# Altium PCB Main.PcbDoc (part 4 of 7)
Units mm, origin at the board's own origin, x right, y up, seen from the top; angles counter-clockwise.
Board outline 176.9 x 83.38 mm, 6 copper layers (Top Layer, Signal 1, GND, VCC, Signal 2, Bottom Layer), stack 0.816 mm thick; 265 components, 263 nets, 1108 pads, 1060 vias.
Unrouted connection lines stored in the file: 116.
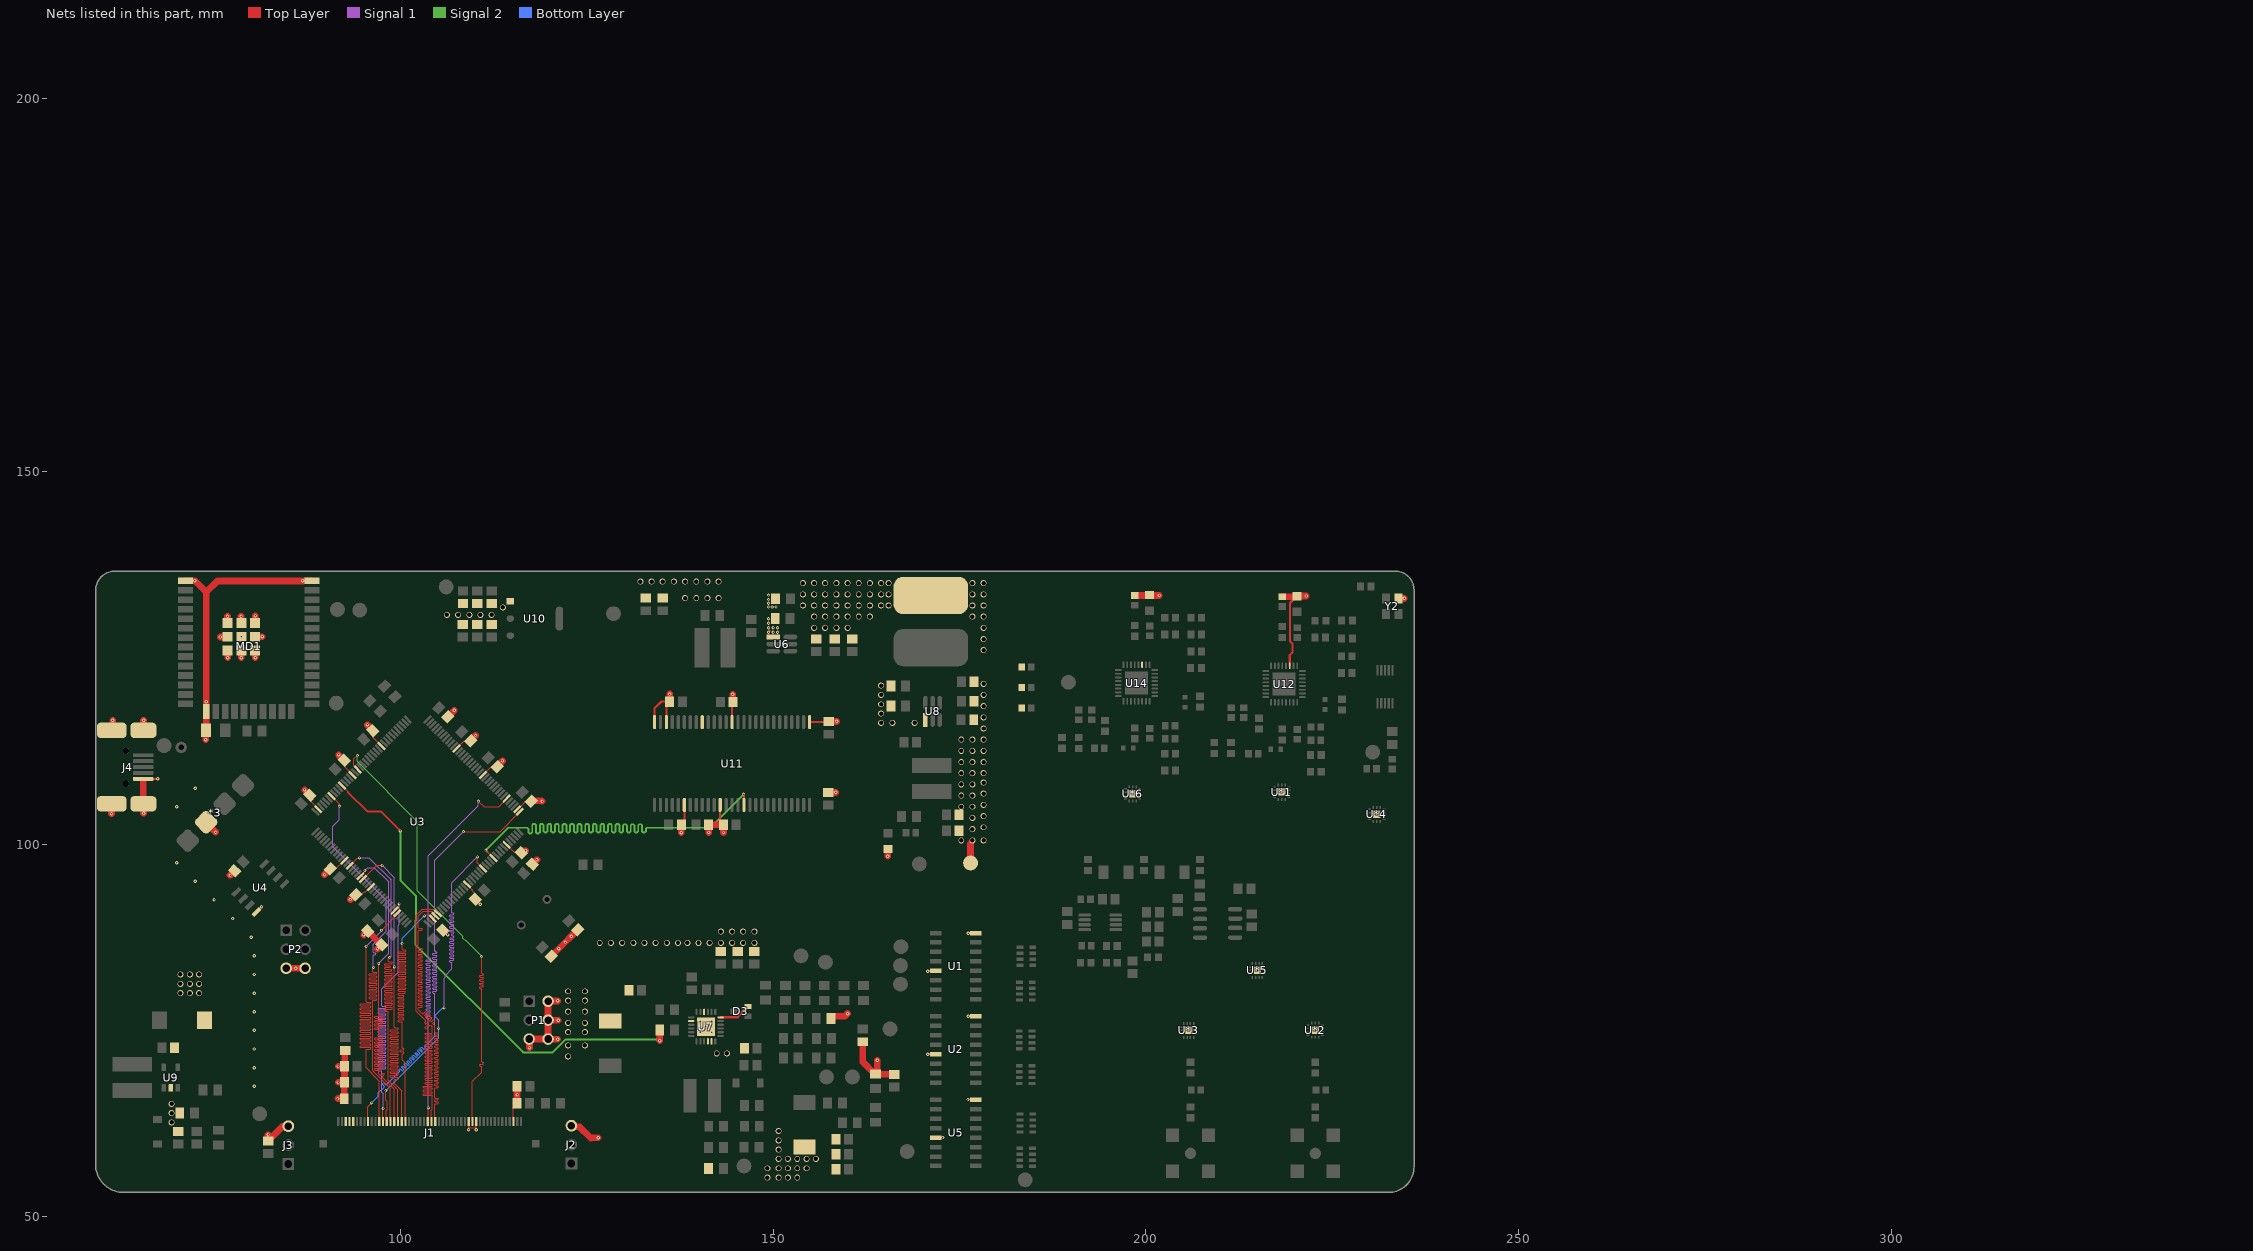
[diagram p8: the nets of this part, all layers, seen from the top]

## Via types
v1: diameter 0.45, hole 0.2, Top Layer to Bottom Layer, tented both sides, 551 vias
v2: diameter 0.8, hole 0.6, Top Layer to Bottom Layer, tented both sides, 348 vias
v3: diameter 0.4, hole 0.2, Top Layer to Bottom Layer, tented both sides, 138 vias
v4: diameter 0.5, hole 0.2, Top Layer to Bottom Layer, tented both sides, 23 vias

## Nets (pads, with @x,y where several pads share a name; then routed paths per layer and width w, separated by ;. In a path a pad name is that pad's centre, name@x,y a point inside that pad or via, vN(x,y) a via of type N, cw(c..) or ccw(c..) an arc to the next point about the centre after c; other vN are vias at no path point) (continued)
FMC_WE: U3.26 U11.16 | length 70.7
  Top Layer w0.127: 111.775,98.85 112.486,98.139 U3.26@112.49,98.139
  Top Layer w0.254: v3(111.475,99.175) 111.475,99.15 111.775,98.85 ; v3@146.084,106.68 146.084,105.266 U11.16@146.1,105.25
  Signal 2 w0.254: v3(111.475,99.175) 114.481,102.181 115.79,102.181 116.044,102.181 116.425,102.181 116.679,102.181 117.035,102.181 117.187,102.029 117.187,101.571 117.339,101.419 117.543,101.419 117.695,101.571 117.695,102.181 117.695,102.54 117.847,102.693 118.051,102.693 118.203,102.54 118.203,102.181 118.203,101.571 118.355,101.419 118.559,101.419 118.711,101.571 118.711,102.181 118.711,102.54 118.863,102.693 119.067,102.693 119.219,102.54 119.219,102.181 119.219,101.7 119.371,101.547 119.575,101.547 119.727,101.7 119.727,102.181 119.727,102.54 119.879,102.693 120.083,102.693 120.235,102.54 120.235,102.181 120.235,101.7 120.387,101.547 120.591,101.547 120.743,101.7 120.743,102.181 120.743,102.54 120.895,102.693 121.099,102.693 121.251,102.54 121.251,102.181 121.251,101.7 121.403,101.547 121.607,101.547 121.759,101.7 121.759,102.181 121.759,102.54 121.911,102.693 122.115,102.693 122.267,102.54 122.267,102.181 122.267,101.7 122.419,101.547 122.623,101.547 122.775,101.7 122.775,102.181 122.775,102.54 122.927,102.693 123.131,102.693 123.283,102.54 123.283,102.181 123.283,101.7 123.435,101.547 123.639,101.547 123.791,101.7 123.791,102.181 123.791,102.54 123.943,102.693 124.147,102.693 124.299,102.54 124.299,102.181 124.299,101.7 124.451,101.547 124.655,101.547 124.807,101.7 124.807,102.181 124.807,102.54 124.959,102.693 125.163,102.693 125.315,102.54 125.315,102.181 125.315,101.7 125.467,101.547 125.671,101.547 125.823,101.7 125.823,102.181 125.823,102.54 125.975,102.693 126.179,102.693 126.331,102.54 126.331,102.181 126.331,101.7 126.483,101.547 126.687,101.547 126.839,101.7 126.839,102.181 126.839,102.54 126.991,102.693 127.195,102.693 127.347,102.54 127.347,102.181 127.347,101.7 127.499,101.547 127.703,101.547 127.855,101.7 127.855,102.181 127.855,102.54 128.007,102.693 128.211,102.693 128.363,102.54 128.363,102.181 128.363,101.7 128.515,101.547 128.719,101.547 128.871,101.7 128.871,102.181 128.871,102.54 129.023,102.693 129.227,102.693 129.379,102.54 129.379,102.181 129.379,101.7 129.531,101.547 129.735,101.547 129.887,101.7 129.887,102.181 129.887,102.494 130.039,102.646 130.243,102.646 130.395,102.494 130.395,102.181 130.395,101.7 130.547,101.547 130.751,101.547 130.903,101.7 130.903,102.181 130.903,102.494 131.055,102.646 131.259,102.646 131.411,102.494 131.411,102.181 131.411,101.7 131.563,101.547 131.767,101.547 131.919,101.7 131.919,102.181 131.919,102.494 132.071,102.646 132.275,102.646 132.427,102.494 132.427,102.181 132.427,101.7 132.579,101.547 132.783,101.547 132.935,101.7 132.935,102.029 133.087,102.181 133.1,102.181 137.9,102.181 141.558,102.181 v3(146.057,106.68)
GND: "IN +12.2" *3.2 C1.1 C2.1 C3.1 C4.1 C5.1 C6.1 C7.1 C8.2 C9.2 C10.1 C11.2 C12.1 C13.1 C14.1 C15.1 C16.1 C17.1 C18.1 C19.1 C20.1 C21.1 C23.1 C24.1 C25.1 C26.1 C27.1 C28.1 C31.1 C33.1 C34.1 C35.1 C36.1 C37.1 C38.1 C39.2 C41.1 C43.1 C44.1 C45.1 C46.1 C47.1 C48.1 C49.1 C50.1 C51.1 C52.1 C53.1 C54.1 C55.1 C56.1 C57.1 C58.1 C59.1 C60.1 C61.1 C62.1 C63.1 C64.1 C65.1 C148.1 C149.1 C150.1 D3.2 GND.1 J1.3 J1.4 J1.5 J1.36 J1.38 J1.48 J2.3 J3.3 J4.5 J4.6 J4.7 J4.8 J4.9 LED1.1 LED2.1 LED3.1 MD1.1 MD1.15 MD1.38 MD1.39 P1.2 P1.4 P1.5 P1.6 P2.5 P2.6 R6.2 R7.2 R10.1 R11.1 R18.1 R20.1 R21.1 R29.1 R30.1 R42.1 R45.1 R46.1 R48.1 R50.2 R61.2 U1.8 U1.13 U2.8 U2.13 U3.16 U3.31 U3.38 U3.51 U3.61 U3.83 U3.94 U3.107 U3.120 U3.130 U4.4 U5.8 U5.13 U6.1 U7.2 U7.10 U7.11 U7.18 U7.22 U7.25 U8.1 U9.2 U10.1 U11.6 U11.12 U11.28 U11.41 U11.46 U11.52 U11.54 U12.27 U14.27 U*1.15 U*2.15 U*3.15 U*4.15 U*5.15 U*6.15 Y2.2 | length 221.3
  Top Layer w0.127: C13.1@87.876,106.576 87.876,105.857 U3.107@89.003,104.729 ; C150.1@90.574,96.651 91.333,96.651 92.467,97.785 U3.120@92.514,97.785 ; C14.1@92.476,111.226 92.547,111.155 92.547,110.39 93.575,109.363 U3.94@93.575,109.276 ; C149.1@93.999,93.201 94.758,93.201 95.123,93.566 95.366,93.566 U3.130@96.049,94.25 ; C15.1@96.299,115.228 96.299,114.33 U3.83@97.464,113.165 U3.83@97.464,113.18 ; U3.61@107.54,112.811 108.532,113.803 109.38,113.803 C16.1@109.451,113.874 ; U3.16@108.954,94.603 109.661,93.897 109.661,93.721 110.049,93.333 C20.1@110.049,92.574 ; v1(109.15,61.675) 109.163,61.688 109.163,62.762 J1.36@109.175,62.775 109.262,62.688 109.262,61.911 110.089,61.911 110.089,62.688 J1.38@110.175,62.775 v1(110.175,61.675) ; U3.51@111.075,109.276 111.119,109.276 112.217,110.374 C17.1@112.976,110.374 ; U3.31@114.257,99.906 115.292,98.872 116.155,98.872 C21.1@116.226,98.801 ; J1.48@115.175,62.775 115.175,64.75 C4.1@115.625,65.2 ; U3.38@115.672,104.679 115.748,104.679 116.792,105.724 C18.1@117.551,105.724
  Top Layer w0.254: J4.5@65.5,108.725 67.425,108.725 v1(67.45,108.75) ; C7.1@92.475,65.85 C7.1@92.948,65.377 ; C148.1@105.676,88.451 105.699,88.451 v1(106.35,87.8) ; C20.1@110.049,92.574 110.076,92.574 v1(110.725,91.925) ; U11.52@135.7,116.35 C65.1@135.7,118.575 ; C62.1@137.7,102.575 138.1,102.975 U11.6@138.1,105.25 ; U11.12@142.9,105.25 142.9,103.025 C60.1@143.35,102.575 ; U11.41@144.5,116.35 144.5,118.925 C64.1@144.625,119.05 ; U11.28@154.9,116.35 157.425,116.35 C63.1@157.5,116.425 ; v1(170.775,71.795) 170.782,71.803 171.792,71.803 U2.13@171.8,71.81 ; v1(170.775,82.945) 170.792,82.963 171.782,82.963 U1.13@171.8,82.98 ; U5.13@171.8,60.615 171.803,60.618 172.797,60.618 v1(172.8,60.62) ; v1(176.15,65.72) 176.162,65.708 177.187,65.708 U5.8@177.2,65.695 ; v1(176.2,76.895) 176.202,76.893 177.197,76.893 U2.8@177.2,76.89 ; v1(176.2,88.045) 176.215,88.06 U1.8@177.2,88.06
  Top Layer w0.305: U4.4@80.698,90.879 81.375,91.556 v1(81.375,91.575) ; U11.54@134.1,116.35 134.1,118.2 135.025,119.125 136.1,119.125 C65.1@136.125,119.1 ; U7.18@142.975,76.75 145.248,76.75 145.807,77.308 145.807,77.457 146.55,78.2 D3.2@146.65,78.2 ; v1(149.4,128.4) 149.4,128.439 149.525,128.564 149.525,128.625 ; R11.1@150.025,132.6 R11.1@150.325,132.9 ; U12.27@219.321,123.902 219.321,125.334 219.702,125.715 219.702,126.873 219.369,127.206 219.369,132.35 LED2.1@220.196,133.177
  Top Layer w0.9: v1(61.25,104.075) 61.25,105.375 J4.9@61.275,105.4 ; J4.7@61.275,115.25 61.4,115.375 v1(61.4,116.6) ; J4.5@65.512,108.525 65.512,105.413 J4.8@65.525,105.4 65.55,105.375 v1(65.55,104.125) ; J4.6@65.525,115.25 65.525,116.575 v1(65.55,116.6) ; MD1.1@71.165,135.31 72.385,135.31 v1(72.4,135.325) 72.464,135.325 73.95,133.839 73.95,133.775 ; v1(73.9,114) 73.9,115.225 C10.1@73.925,115.25 73.95,115.275 MD1.15@73.95,117.8 v1(73.95,119.075) 73.95,133.775 ; *3.2@73.95,102.925 73.95,102.85 v1(75.2,101.6) ; v1(75.85,127.775) 76.795,127.775 MD1.39@76.83,127.81 ; v1(76.8,130.575) 76.8,129.675 MD1.39@76.83,129.645 ; MD1.39@76.83,125.975 76.85,125.955 v1(76.85,125) ; v1(77.148,95.798) C12.1@77.749,96.399 ; v1(78.625,130.575) 78.625,129.685 MD1.39@78.665,129.645 ; v1(78.65,124.975) 78.65,125.96 MD1.39@78.665,125.975 ; MD1.39@78.665,127.81 v1(78.675,127.8) ; MD1.39@80.5,125.975 80.55,125.925 v1(80.55,125) ; MD1.39@80.5,127.81 80.515,127.825 v1(81.45,127.825) ; MD1.39@80.5,129.645 80.525,129.67 v1(80.525,130.6) ; v1(82.25,61) C2.1@82.25,60.15 84.255,62.155 J3.3@84.975,62.155 ; P2.5@84.68,83.335 v1(85.95,83.335) P2.6@87.22,83.335 ; v1(87.175,107.25) 87.849,106.576 C13.1@87.876,106.576 ; MD1.38@88.165,135.31 86.91,135.31 v1(86.9,135.3) 75.475,135.3 73.95,133.775 ; v1(89.825,95.9) 90.574,96.649 C150.1@90.574,96.651 ; v3(91.625,65.85) C7.1@92.475,65.85 92.488,65.862 92.488,68.013 C6.1@92.5,68.025 ; v3(91.65,68.025) C6.1@92.5,68.025 ; v3(91.65,70.175) C5.1@92.5,70.175 ; v1(91.725,111.95) 92.449,111.226 C14.1@92.476,111.226 ; C3.1@92.6,72.325 92.55,72.275 92.55,70.225 C5.1@92.5,70.175 ; v1(93.3,92.55) 93.348,92.55 C149.1@93.999,93.201 ; v1(95.075,87.8) R7.2@95.618,88.343 95.618,88.313 97.438,86.493 R6.2@97.493,86.493 ; v1(95.573,115.977) 96.299,115.251 C15.1@96.299,115.228 ; v1(96.93,85.929) R6.2@97.493,86.493 ; C19.1@106.376,117.049 106.376,117.076 v1(107.225,117.925) ; C16.1@109.451,113.874 109.451,113.926 v1(110.075,114.55) ; C17.1@112.976,110.374 112.976,110.426 v1(113.7,111.15) ; C4.1@115.625,65.2 115.65,65.225 v1(115.65,66.363) 115.65,67.5 C1.1@115.675,67.525 ; C21.1@116.226,98.801 116.53,99.105 v1(116.831,99.105) ; v1(117.325,72.65) 117.325,73.79 P1.5@117.28,73.835 P1.6@119.82,73.835 ; C18.1@117.551,105.724 117.622,105.795 118.941,105.795 v1(119.006,105.73) ; C11.2@117.726,97.301 v1(118.327,97.902) ; C9.2@120.226,84.924 v1(121.251,85.949) 123.777,88.475 C8.2@123.825,88.475 ; v1(121.125,73.825) 119.83,73.825 P1.6@119.82,73.835 ; v1(121.125,78.95) 119.855,78.95 P1.2@119.82,78.915 P1.4@119.82,76.375 ; v1(121.19,76.375) P1.4@119.82,76.375 ; J2.3@122.95,62.215 123.115,62.05 124.05,62.05 125.55,60.55 125.65,60.55 125.7,60.6 v1(126.55,60.6) ; C65.1@136.125,119.1 v1(136.125,120.125) ; v1(137.7,101.525) C62.1@137.7,102.575 ; v1(141.375,101.55) 141.375,102.55 C61.1@141.35,102.575 C60.1@143.35,102.575 v1(143.35,101.55) ; v1(144.6,120.075) 144.6,119.075 C64.1@144.625,119.05 ; C59.1@157.425,106.925 v1(158.425,106.925) ; C63.1@157.5,116.425 157.525,116.45 v1(158.525,116.45) ; R42.1@157.8,76.6 157.8,76.725 157.95,76.875 159.625,76.875 v1(160,77.25) ; C46.1@162.05,73.475 162.05,70.75 163.625,69.175 R29.1@163.75,69.175 ; v1(164,71) 164,69.425 R29.1@163.75,69.175 ; v1(165.4,98.375) LED1.1@165.4,99.35 ; C41.1@166.275,69.075 166.225,69.125 163.8,69.125 R29.1@163.75,69.175 ; 176.475,100 176.5,99.975 GND.1@176.5,97.45 ; R61.2@198.523,133.351 200.473,133.351 LED3.1@200.523,133.401 200.574,133.35 v1(201.825,133.35) ; R50.2@218.346,133.177 220.196,133.177 220.246,133.177 LED2.1@220.321,133.252 220.344,133.275 v1(221.525,133.275) ; Y2.2@233.9,132.95 v1(234.675,132.95) ; C6.1@92.5,68.025 C5.1@92.5,70.175 ; P1.6@119.82,73.835 P1.4@119.82,76.375
  other v1: 80.382,67.5 80.382,70 80.382,72.5 80.382,75 205.75,75 222.75,75 80.382,77.5 80.382,80 80.382,82.5 214.95,83.05 80.382,85 122.1,86.85 80,87.5 122.926,87.624 77.5,90 75,92.5 72.5,95 70,97.5 231,104 70,105 198.25,106.75 218.25,107 72.5,107.5 150,128.4 150.6,128.4 149.4,129 150,129 150.6,129 149.4,129.6 149.4,130.2 149.4,131.8 149.9,131.8 150.4,131.8 149.4,132.3 149.4,132.8 149.4,133.4
  other v2: 149.25,55.25 150.75,55.25 152,55.25 153.25,55.25 149.25,56.5 150.75,56.5 152,56.5 153.25,56.5 154.5,56.5 150.75,57.75 152,57.75 153.25,57.75 154.5,57.75 155.75,57.75 150.75,59 150.75,60.25 150.75,61.5 69.3,62.65 69.3,63.9 69.3,65.15 122.5,71.5 142.45,71.9 143.8,71.9 122.5,73 124.75,73 122.5,74.75 124.75,74.75 122.5,76 124.75,76 122.5,77.5 124.75,77.5 122.5,79 124.75,79 70.5,80 71.75,80 73,80 122.5,80.25 124.75,80.25 70.5,81.25 71.75,81.25 73,81.25 70.5,82.5 71.75,82.5 73,82.5 126.75,86.75 128.25,86.75 129.75,86.75 131.25,86.75 132.75,86.75 134.25,86.75 135.75,86.75 137.25,86.75 138.5,86.75 140,86.75 141.5,86.75 143,86.75 144.5,86.75 146,86.75 147.5,86.75 143,88.25 144.5,88.25 146,88.25 147.5,88.25 175.25,100.5 176.75,100.5 178.25,100.5 176.75,102 178.25,102.25 176.75,103.5 178.25,103.75 175.25,105 176.75,105 178.25,105.25 175.25,106.5 176.75,106.5 178.25,106.75 175.25,108 176.75,108 178.25,108.25 175.25,109.5 176.75,109.5 178.25,109.5 175.25,111 176.75,111 178.25,111 175.25,112.5 176.75,112.5 178.25,112.5 175.25,114 176.75,114 178.25,114 178.25,115.5 164.5,116.25 166,116.25 169,116.25 178.25,117 164.5,117.5 178.25,118.5 164.5,118.75 164.5,120 178.25,120 164.5,121.25 178.25,121.5 178.25,126 178.25,127.5 155.5,129 157,129 158.5,129 160,129 178.25,129 155.5,130.5 157,130.5 158.5,130.5 160,130.5 161.5,130.5 163,130.5 176.75,130.5 178.25,130.5 106.25,130.75 107.75,130.75 109.25,130.75 110.75,130.75 112.25,130.75 113.75,131.75 154,132 155.5,132 157,132 158.5,132 160,132 161.5,132 163,132 164.5,132 165.5,132 176.75,132 178.25,132 138.2,133 139.7,133 141.2,133 142.7,133 154,133.5 155.5,133.5 157,133.5 158.5,133.5 160,133.5 161.5,133.5 163,133.5 164.5,133.5 165.5,133.5 176.75,133.5 178.25,133.5 154,135 155.5,135 157,135 158.5,135 160,135 161.5,135 163,135 164.5,135 165.5,135 176.75,135 178.25,135 132.2,135.2 133.7,135.2 135.2,135.2 136.7,135.2 138.2,135.2 139.7,135.2 141.2,135.2 142.7,135.2
  other v4: 140.25,74.75 141.75,74.75 141,75.5 140.25,76.25 141.75,76.25
LCD_B0: J1.19 U3.3 | length 62.7
  Top Layer w0.127: 100.225,76.05 100.225,76.108 100.161,76.171 99.78,76.171 99.717,76.235 99.717,76.362 99.78,76.425 100.225,76.425 100.393,76.425 100.456,76.489 100.456,76.616 100.393,76.679 100.225,76.679 99.78,76.679 99.717,76.743 99.717,76.87 99.78,76.933 100.225,76.933 100.393,76.933 100.456,76.997 100.456,77.124 100.393,77.187 100.225,77.187 99.78,77.187 99.717,77.251 99.717,77.378 99.78,77.441 100.225,77.441 100.393,77.441 100.456,77.505 100.456,77.632 100.393,77.695 100.225,77.695 99.78,77.695 99.717,77.759 99.717,77.886 99.78,77.949 100.225,77.949 100.393,77.949 100.456,78.013 100.456,78.14 100.393,78.203 100.225,78.203 99.78,78.203 99.717,78.267 99.717,78.394 99.78,78.457 100.225,78.457 100.393,78.457 100.456,78.521 100.456,78.648 100.393,78.711 100.225,78.711 99.78,78.711 99.717,78.775 99.717,78.902 99.78,78.965 100.225,78.965 100.393,78.965 100.456,79.029 100.456,79.156 100.393,79.219 100.225,79.219 99.78,79.219 99.717,79.283 99.717,79.41 99.78,79.473 100.225,79.473 100.393,79.473 100.456,79.537 100.456,79.664 100.393,79.727 100.225,79.727 99.78,79.727 99.717,79.791 99.717,79.918 99.78,79.981 100.225,79.981 100.619,79.981 100.682,80.045 100.682,80.172 100.619,80.235 100.225,80.235 99.78,80.235 99.717,80.299 99.717,80.426 99.78,80.489 100.225,80.489 100.647,80.489 100.71,80.553 100.71,80.68 100.647,80.743 100.225,80.743 99.78,80.743 99.717,80.807 99.717,80.934 99.78,80.997 100.225,80.997 100.647,80.997 100.71,81.061 100.71,81.188 100.647,81.251 100.225,81.251 99.78,81.251 99.717,81.315 99.717,81.442 99.78,81.505 100.225,81.505 100.647,81.505 100.71,81.569 100.71,81.696 100.647,81.759 100.225,81.759 99.78,81.759 99.717,81.823 99.717,81.95 99.78,82.013 100.225,82.013 100.647,82.013 100.71,82.077 100.71,82.204 100.647,82.267 100.225,82.267 99.78,82.267 99.717,82.331 99.717,82.458 99.78,82.521 100.225,82.521 100.647,82.521 100.71,82.585 100.71,82.712 100.647,82.775 100.225,82.775 99.78,82.775 99.717,82.839 99.717,82.966 99.78,83.029 100.225,83.029 100.647,83.029 100.71,83.093 100.71,83.22 100.647,83.283 100.225,83.283 99.78,83.283 99.717,83.347 99.717,83.474 99.78,83.537 100.225,83.537 100.647,83.537 100.71,83.601 100.71,83.728 100.647,83.791 100.225,83.791 99.78,83.791 99.717,83.855 99.717,83.982 99.78,84.045 100.225,84.045 100.647,84.045 100.71,84.109 100.71,84.236 100.647,84.299 100.225,84.299 99.78,84.299 99.717,84.363 99.717,84.49 99.78,84.553 100.225,84.553 100.647,84.553 100.71,84.617 100.71,84.744 100.647,84.807 100.225,84.807 99.78,84.807 99.717,84.871 99.717,84.998 99.78,85.061 100.225,85.061 100.647,85.061 100.71,85.125 100.71,85.252 100.647,85.315 100.225,85.315 99.78,85.315 99.717,85.379 99.717,85.506 99.78,85.569 100.225,85.569 100.647,85.569 100.71,85.633 100.71,85.76 100.647,85.823 100.288,85.823 100.225,85.887 100.225,85.95 v3(100.225,86.65) ; 100.242,76.009 100.242,72.75 100.242,72.686 100.305,72.623 100.393,72.623 100.456,72.559 100.456,72.432 100.393,72.369 100.242,72.369 100.028,72.369 99.965,72.305 99.965,72.178 100.028,72.115 100.242,72.115 100.393,72.115 100.456,72.051 100.456,71.924 100.393,71.861 100.305,71.861 100.242,71.797 100.242,71.75 100.242,71.042 100.675,70.609 J1.19@100.675,62.775 ; v3(103.225,90.375) 103.299,90.375 103.442,90.518 103.76,90.518 104.271,90.007 U3.3@104.358,90.007
  Bottom Layer w0.127: v3(100.225,86.65) 100.225,87.375 v3(103.225,90.375)
LCD_B1: J1.18 U3.127 | length 64.1
  Top Layer w0.127: U3.127@94.989,95.31 95.037,95.31 96.852,97.125 v3(97.55,97.125) ; v3(99.18,83.529) 99.18,75.45 99.18,75.386 99.243,75.323 99.624,75.323 99.688,75.259 99.688,75.132 99.624,75.069 99.18,75.069 98.735,75.069 98.672,75.005 98.672,74.878 98.735,74.815 99.18,74.815 99.624,74.815 99.688,74.751 99.688,74.624 99.624,74.561 99.18,74.561 98.735,74.561 98.672,74.497 98.672,74.37 98.735,74.307 99.18,74.307 99.624,74.307 99.688,74.243 99.688,74.116 99.624,74.053 99.18,74.053 98.735,74.053 98.672,73.989 98.672,73.862 98.735,73.799 99.18,73.799 99.624,73.799 99.688,73.735 99.688,73.608 99.624,73.545 99.18,73.545 98.735,73.545 98.672,73.481 98.672,73.354 98.735,73.291 99.18,73.291 99.624,73.291 99.688,73.227 99.688,73.1 99.624,73.037 99.18,73.037 98.735,73.037 98.672,72.973 98.672,72.846 98.735,72.783 99.18,72.783 99.624,72.783 99.688,72.719 99.688,72.592 99.624,72.529 99.18,72.529 98.735,72.529 98.672,72.465 98.672,72.338 98.735,72.275 99.18,72.275 99.624,72.275 99.688,72.211 99.688,72.084 99.624,72.021 99.18,72.021 98.735,72.021 98.672,71.957 98.672,71.83 98.735,71.767 99.18,71.767 99.624,71.767 99.688,71.703 99.688,71.576 99.624,71.513 99.18,71.513 98.735,71.513 98.672,71.449 98.672,71.322 98.735,71.259 99.18,71.259 99.624,71.259 99.688,71.195 99.688,71.068 99.624,71.005 99.18,71.005 98.735,71.005 98.672,70.941 98.672,70.814 98.735,70.751 99.18,70.751 99.624,70.751 99.688,70.687 99.688,70.56 99.624,70.497 99.18,70.497 98.735,70.497 98.672,70.433 98.672,70.306 98.735,70.243 99.18,70.243 99.624,70.243 99.688,70.179 99.688,70.052 99.624,69.989 99.18,69.989 98.735,69.989 98.672,69.925 98.672,69.798 98.735,69.735 99.18,69.735 99.624,69.735 99.688,69.671 99.688,69.544 99.624,69.481 99.18,69.481 98.735,69.481 98.672,69.417 98.672,69.29 98.735,69.227 99.18,69.227 99.624,69.227 99.688,69.163 99.688,69.036 99.624,68.973 99.18,68.973 98.735,68.973 98.672,68.909 98.672,68.782 98.735,68.719 99.18,68.719 99.624,68.719 99.688,68.655 99.688,68.528 99.624,68.465 99.243,68.465 99.18,68.401 99.18,68.375 99.18,67.895 100.175,66.9 J1.18@100.175,62.775
  Signal 1 w0.127: v3(97.55,97.125) 99.18,95.495 v3(99.18,83.529)
LCD_B2: J1.17 U3.122 | length 64
  Top Layer w0.127: U3.122@93.303,97.247 93.39,97.247 94.241,98.098 94.473,98.098 v3(94.525,98.15) ; v3(98.55,84.75) 98.395,84.595 98.395,84.325 98.395,84.262 98.458,84.198 98.839,84.198 98.903,84.135 98.903,84.008 98.839,83.944 98.395,83.944 97.95,83.944 97.887,83.881 97.887,83.754 97.95,83.69 98.395,83.69 98.599,83.69 98.662,83.627 98.662,83.5 98.599,83.436 98.395,83.436 97.95,83.436 97.887,83.373 97.887,83.246 97.95,83.182 98.395,83.182 98.795,83.182 98.859,83.119 98.859,82.992 98.795,82.928 98.395,82.928 97.95,82.928 97.887,82.865 97.887,82.738 97.95,82.674 98.395,82.674 98.839,82.674 98.903,82.611 98.903,82.484 98.839,82.42 98.395,82.42 97.95,82.42 97.887,82.357 97.887,82.23 97.95,82.166 98.395,82.166 98.839,82.166 98.903,82.103 98.903,81.976 98.839,81.912 98.395,81.912 97.95,81.912 97.887,81.849 97.887,81.722 97.95,81.658 98.395,81.658 98.839,81.658 98.903,81.595 98.903,81.468 98.839,81.404 98.395,81.404 97.95,81.404 97.887,81.341 97.887,81.214 97.95,81.15 98.395,81.15 98.839,81.15 98.903,81.087 98.903,80.96 98.839,80.896 98.395,80.896 97.95,80.896 97.887,80.833 97.887,80.706 97.95,80.642 98.395,80.642 98.839,80.642 98.903,80.579 98.903,80.452 98.839,80.388 98.395,80.388 97.95,80.388 97.887,80.325 97.887,80.198 97.95,80.134 98.395,80.134 98.839,80.134 98.903,80.071 98.903,79.944 98.839,79.88 98.395,79.88 97.95,79.88 97.887,79.817 97.887,79.69 97.95,79.626 98.395,79.626 98.839,79.626 98.903,79.563 98.903,79.436 98.839,79.372 98.395,79.372 97.95,79.372 97.887,79.309 97.887,79.182 97.95,79.118 98.395,79.118 98.839,79.118 98.903,79.055 98.903,78.928 98.839,78.864 98.395,78.864 97.95,78.864 97.887,78.801 97.887,78.674 97.95,78.61 98.395,78.61 98.839,78.61 98.903,78.547 98.903,78.42 98.839,78.356 98.395,78.356 97.95,78.356 97.887,78.293 97.887,78.166 97.95,78.102 98.395,78.102 98.839,78.102 98.903,78.039 98.903,77.912 98.839,77.848 98.395,77.848 97.95,77.848 97.887,77.785 97.887,77.658 97.95,77.594 98.331,77.594 98.395,77.531 98.395,77.5 98.395,68.288 99.675,67.008 J1.17@99.675,62.775
  Signal 1 w0.127: v3(94.525,98.15) 95.775,98.15 98.75,95.175 98.75,84.95 v3(98.55,84.75)
LCD_B3: J1.16 U3.126 | length 63.9
  Top Layer w0.127: U3.126@94.635,95.664 94.635,95.751 95.191,96.307 95.191,96.406 v3(95.243,96.458) ; v3(97.1,83.975) 97.1,81.525 97.1,77.275 97.1,77.211 97.163,77.148 97.545,77.148 97.608,77.084 97.608,76.957 97.545,76.894 97.1,76.894 96.655,76.894 96.592,76.83 96.592,76.703 96.655,76.64 97.1,76.64 97.545,76.64 97.608,76.576 97.608,76.449 97.545,76.386 97.1,76.386 96.655,76.386 96.592,76.322 96.592,76.195 96.655,76.132 97.1,76.132 97.545,76.132 97.608,76.068 97.608,75.941 97.545,75.878 97.1,75.878 96.655,75.878 96.592,75.814 96.592,75.687 96.655,75.624 97.1,75.624 97.545,75.624 97.608,75.56 97.608,75.433 97.545,75.37 97.1,75.37 96.655,75.37 96.592,75.306 96.592,75.179 96.655,75.116 97.036,75.116 97.1,75.052 97.1,74.862 97.1,74.625 97.1,74.498 97.1,74.307 97.163,74.244 97.545,74.244 97.608,74.18 97.608,74.053 97.545,73.99 97.1,73.99 96.655,73.99 96.592,73.926 96.592,73.799 96.655,73.736 97.1,73.736 97.545,73.736 97.608,73.672 97.608,73.545 97.545,73.482 97.1,73.482 96.655,73.482 96.592,73.418 96.592,73.291 96.655,73.228 97.1,73.228 97.545,73.228 97.608,73.164 97.608,73.037 97.545,72.974 97.1,72.974 96.655,72.974 96.592,72.91 96.592,72.783 96.655,72.72 97.1,72.72 97.545,72.72 97.608,72.656 97.608,72.529 97.545,72.466 97.1,72.466 96.655,72.466 96.592,72.402 96.592,72.275 96.655,72.212 97.1,72.212 97.545,72.212 97.608,72.148 97.608,72.021 97.545,71.958 97.1,71.958 96.655,71.958 96.592,71.894 96.592,71.767 96.655,71.704 97.1,71.704 97.545,71.704 97.608,71.64 97.608,71.513 97.545,71.45 97.1,71.45 96.655,71.45 96.592,71.386 96.592,71.259 96.655,71.196 97.1,71.196 97.545,71.196 97.608,71.132 97.608,71.005 97.545,70.942 97.1,70.942 96.655,70.942 96.592,70.878 96.592,70.751 96.655,70.688 97.1,70.688 97.545,70.688 97.608,70.624 97.608,70.497 97.545,70.434 97.1,70.434 96.655,70.434 96.592,70.37 96.592,70.243 96.655,70.18 97.1,70.18 97.545,70.18 97.608,70.116 97.608,69.989 97.545,69.926 97.1,69.926 96.655,69.926 96.592,69.862 96.592,69.735 96.655,69.672 97.036,69.672 97.1,69.608 97.1,69.418 97.1,69.192 97.19,69.102 97.325,68.967 97.414,68.967 97.684,69.236 97.774,69.236 97.863,69.147 97.863,69.057 97.594,68.787 97.594,68.698 97.633,68.658 99.175,67.117 J1.16@99.175,62.775
  Signal 1 w0.127: v3(95.243,96.458) 95.635,96.85 96.482,96.85 98.417,94.914 98.417,85.349 97.1,84.032 v3(97.1,83.975)
LCD_B4: J1.15 U3.102 | length 63.8
  Top Layer w0.127: U3.102@90.746,106.447 91.773,105.421 91.773,105.127 v3(91.825,105.075) ; v3(96.4,83.45) 96.375,83.425 96.375,83.3 96.315,83.24 96.315,82.95 96.315,82.886 96.378,82.823 96.759,82.823 96.823,82.759 96.823,82.632 96.759,82.569 96.315,82.569 95.87,82.569 95.807,82.505 95.807,82.378 95.87,82.315 96.315,82.315 96.759,82.315 96.823,82.251 96.823,82.124 96.759,82.061 96.315,82.061 95.87,82.061 95.807,81.997 95.807,81.87 95.87,81.807 96.315,81.807 96.759,81.807 96.823,81.743 96.823,81.616 96.759,81.553 96.315,81.553 95.87,81.553 95.807,81.489 95.807,81.362 95.87,81.299 96.315,81.299 96.759,81.299 96.823,81.235 96.823,81.108 96.759,81.045 96.315,81.045 95.87,81.045 95.807,80.981 95.807,80.854 95.87,80.791 96.315,80.791 96.759,80.791 96.823,80.727 96.823,80.6 96.759,80.537 96.315,80.537 95.87,80.537 95.807,80.473 95.807,80.346 95.87,80.283 96.315,80.283 96.759,80.283 96.823,80.219 96.823,80.092 96.759,80.029 96.315,80.029 95.87,80.029 95.807,79.965 95.807,79.838 95.87,79.775 96.315,79.775 96.759,79.775 96.823,79.711 96.823,79.584 96.759,79.521 96.315,79.521 95.87,79.521 95.807,79.457 95.807,79.33 95.87,79.267 96.315,79.267 96.759,79.267 96.823,79.203 96.823,79.076 96.759,79.013 96.378,79.013 96.315,78.949 96.315,78.9 96.315,69.585 98.675,67.225 J1.15@98.675,62.775
  Signal 1 w0.127: v3(91.825,105.075) 91.825,103.225 90.958,102.358 90.958,99.617 98.1,92.475 98.1,88.318 96.357,86.575 96.357,85.55 96.357,85.486 96.421,85.423 96.642,85.423 96.705,85.359 96.705,85.232 96.642,85.169 96.421,85.169 96.357,85.105 96.357,85.034 96.357,83.493 v3(96.4,83.45)
LCD_B5: J1.14 U3.37 | length 61.9
  Top Layer w0.127: v3(98.05,66.9) 98.05,65.652 98.217,65.485 98.217,64.311 98.102,64.195 98.102,62.848 J1.14@98.175,62.775 ; v3(108.45,101.675) 113.374,101.675 U3.37@116.025,104.326
  Signal 1 w0.127: v3(105.13,75.279) 105.13,76.37 104.632,76.868 104.632,79.925 104.572,79.985 104.442,79.985 104.378,80.048 104.378,80.175 104.442,80.239 104.632,80.239 104.823,80.239 104.887,80.302 104.887,80.429 104.823,80.493 104.632,80.493 104.442,80.493 104.378,80.556 104.378,80.683 104.442,80.747 104.632,80.747 104.823,80.747 104.887,80.81 104.887,80.937 104.823,81.001 104.632,81.001 104.442,81.001 104.378,81.064 104.378,81.191 104.442,81.255 104.632,81.255 104.823,81.255 104.887,81.318 104.887,81.445 104.823,81.509 104.632,81.509 104.442,81.509 104.378,81.572 104.378,81.699 104.442,81.763 104.632,81.763 104.823,81.763 104.887,81.826 104.887,81.953 104.823,82.017 104.632,82.017 104.442,82.017 104.378,82.08 104.378,82.207 104.442,82.271 104.632,82.271 104.823,82.271 104.887,82.334 104.887,82.461 104.823,82.525 104.632,82.525 104.442,82.525 104.378,82.588 104.378,82.715 104.442,82.779 104.632,82.779 104.823,82.779 104.887,82.842 104.887,82.969 104.823,83.033 104.632,83.033 104.442,83.033 104.378,83.096 104.378,83.223 104.442,83.287 104.632,83.287 104.823,83.287 104.887,83.35 104.887,83.477 104.823,83.541 104.632,83.541 104.442,83.541 104.378,83.604 104.378,83.731 104.442,83.795 104.632,83.795 104.823,83.795 104.887,83.858 104.887,83.985 104.823,84.049 104.632,84.049 104.442,84.049 104.378,84.112 104.378,84.239 104.442,84.303 104.632,84.303 104.823,84.303 104.887,84.366 104.887,84.493 104.823,84.557 104.632,84.557 104.442,84.557 104.378,84.62 104.378,84.747 104.442,84.811 104.632,84.811 104.823,84.811 104.887,84.874 104.887,85.001 104.823,85.065 104.632,85.065 104.442,85.065 104.378,85.128 104.378,85.255 104.442,85.319 104.632,85.319 104.823,85.319 104.887,85.382 104.887,85.509 104.823,85.573 104.696,85.573 104.632,85.636 104.632,85.7 104.613,85.72 104.613,97.838 v3(108.45,101.675)
  Bottom Layer w0.127: v3(98.05,66.9) 105.13,73.98 v3(105.13,75.279)
LCD_B6: J1.13 U3.139 | length 63.4
  Top Layer w0.127: J1.13@97.675,62.775 97.625,62.825 97.625,64.45 v3(97.7,64.525) ; U3.139@99.231,91.068 99.843,91.68 99.843,91.968 v3(99.85,91.975)
  Signal 1 w0.127: v3(97.7,64.525) 97.7,66.518 97.532,66.686 97.532,69.6 97.521,69.612 97.088,69.612 97.024,69.675 97.024,69.802 97.088,69.866 97.532,69.866 97.977,69.866 98.041,69.929 98.041,70.056 97.977,70.12 97.532,70.12 97.088,70.12 97.024,70.183 97.024,70.31 97.088,70.374 97.532,70.374 97.977,70.374 98.041,70.437 98.041,70.564 97.977,70.628 97.532,70.628 97.088,70.628 97.024,70.691 97.024,70.818 97.088,70.882 97.532,70.882 97.977,70.882 98.041,70.945 98.041,71.072 97.977,71.136 97.532,71.136 97.088,71.136 97.024,71.199 97.024,71.326 97.088,71.39 97.532,71.39 97.977,71.39 98.041,71.453 98.041,71.58 97.977,71.644 97.532,71.644 97.088,71.644 97.024,71.707 97.024,71.834 97.088,71.898 97.532,71.898 97.977,71.898 98.041,71.961 98.041,72.088 97.977,72.152 97.532,72.152 97.088,72.152 97.024,72.215 97.024,72.342 97.088,72.406 97.532,72.406 97.977,72.406 98.041,72.469 98.041,72.596 97.977,72.66 97.532,72.66 97.088,72.66 97.024,72.723 97.024,72.85 97.088,72.914 97.532,72.914 97.977,72.914 98.041,72.977 98.041,73.104 97.977,73.168 97.532,73.168 97.088,73.168 97.024,73.231 97.024,73.358 97.088,73.422 97.532,73.422 97.977,73.422 98.041,73.485 98.041,73.612 97.977,73.676 97.532,73.676 97.088,73.676 97.024,73.739 97.024,73.866 97.088,73.93 97.532,73.93 97.977,73.93 98.041,73.993 98.041,74.12 97.977,74.184 97.532,74.184 97.088,74.184 97.024,74.247 97.024,74.374 97.088,74.438 97.532,74.438 97.977,74.438 98.041,74.501 98.041,74.628 97.977,74.692 97.532,74.692 97.088,74.692 97.024,74.755 97.024,74.882 97.088,74.946 97.532,74.946 97.977,74.946 98.041,75.009 98.041,75.136 97.977,75.2 97.532,75.2 97.088,75.2 97.024,75.263 97.024,75.39 97.088,75.454 97.532,75.454 97.977,75.454 98.041,75.517 98.041,75.644 97.977,75.708 97.532,75.708 97.088,75.708 97.024,75.771 97.024,75.898 97.088,75.962 97.532,75.962 97.977,75.962 98.041,76.025 98.041,76.152 97.977,76.216 97.532,76.216 97.088,76.216 97.024,76.279 97.024,76.406 97.088,76.47 97.532,76.47 97.977,76.47 98.041,76.533 98.041,76.66 97.977,76.724 97.532,76.724 97.088,76.724 97.024,76.787 97.024,76.914 97.088,76.978 97.532,76.978 97.977,76.978 98.041,77.041 98.041,77.168 97.977,77.232 97.532,77.232 97.088,77.232 97.024,77.295 97.024,77.422 97.088,77.486 97.532,77.486 97.977,77.486 98.041,77.549 98.041,77.676 97.977,77.74 97.532,77.74 97.088,77.74 97.024,77.803 97.024,77.93 97.088,77.994 97.532,77.994 97.977,77.994 98.041,78.057 98.041,78.184 97.977,78.248 97.596,78.248 97.532,78.311 97.532,78.375 97.532,80.591 99.749,82.807 99.749,85.931 99.707,85.973 99.707,89.097 99.85,89.24 v3(99.85,91.975)
LCD_B7: J1.12 U3.140 | length 63.4
  Top Layer w0.127: v3(95.4,86.275) 95.4,78.925 95.4,78.862 95.463,78.798 95.975,78.798 96.038,78.735 96.038,78.608 95.975,78.544 95.4,78.544 94.701,78.544 94.638,78.481 94.638,78.354 94.701,78.29 95.4,78.29 95.975,78.29 96.038,78.227 96.038,78.1 95.975,78.036 95.4,78.036 94.701,78.036 94.638,77.973 94.638,77.846 94.701,77.782 95.4,77.782 95.975,77.782 96.038,77.719 96.038,77.592 95.975,77.528 95.4,77.528 94.701,77.528 94.638,77.465 94.638,77.338 94.701,77.274 95.4,77.274 95.975,77.274 96.038,77.211 96.038,77.084 95.975,77.02 95.4,77.02 94.701,77.02 94.638,76.957 94.638,76.83 94.701,76.766 95.4,76.766 95.975,76.766 96.038,76.703 96.038,76.576 95.975,76.512 95.4,76.512 94.701,76.512 94.638,76.449 94.638,76.322 94.701,76.258 95.4,76.258 95.975,76.258 96.038,76.195 96.038,76.068 95.975,76.004 95.4,76.004 94.701,76.004 94.638,75.941 94.638,75.814 94.701,75.75 95.4,75.75 95.975,75.75 96.038,75.687 96.038,75.56 95.975,75.496 95.4,75.496 94.701,75.496 94.638,75.433 94.638,75.306 94.701,75.242 95.4,75.242 95.975,75.242 96.038,75.179 96.038,75.052 95.975,74.988 95.4,74.988 94.701,74.988 94.638,74.925 94.638,74.798 94.701,74.734 95.4,74.734 95.975,74.734 96.038,74.671 96.038,74.544 95.975,74.48 95.4,74.48 94.701,74.48 94.638,74.417 94.638,74.29 94.701,74.226 95.4,74.226 95.975,74.226 96.038,74.163 96.038,74.036 95.975,73.972 95.4,73.972 94.701,73.972 94.638,73.909 94.638,73.782 94.701,73.718 95.4,73.718 95.975,73.718 96.038,73.655 96.038,73.528 95.975,73.464 95.4,73.464 94.701,73.464 94.638,73.401 94.638,73.274 94.701,73.21 95.4,73.21 95.975,73.21 96.038,73.147 96.038,73.02 95.975,72.956 95.4,72.956 94.701,72.956 94.638,72.893 94.638,72.766 94.701,72.702 95.4,72.702 95.975,72.702 96.038,72.639 96.038,72.512 95.975,72.448 95.463,72.448 95.4,72.385 95.4,72.3 95.4,69.975 97.175,68.2 J1.12@97.175,62.775 ; v3(97.475,88.432) 99.074,90.031 99.074,90.116 99.585,90.627 U3.140@99.585,90.714
  Signal 1 w0.127: v3(95.4,86.275) 95.4,86.312 97.475,88.387 v3(97.475,88.432)
LCD_CLK: J1.37 U3.92 | length 62.8
  Top Layer w0.127: U3.92@94.051,110.126 94.051,110.3 93.771,110.581 93.771,111.421 v3(94.225,111.875) ; J1.37@109.675,62.775 109.675,68.15 110.9,69.375 110.9,70.05 110.9,70.152 110.836,70.215 110.709,70.215 110.646,70.279 110.646,70.406 110.709,70.469 110.9,70.469 111.091,70.469 111.154,70.533 111.154,70.66 111.091,70.723 110.963,70.723 110.9,70.787 110.9,70.85 110.9,80.425 110.9,80.527 110.836,80.591 110.709,80.591 110.646,80.654 110.646,80.781 110.709,80.845 110.9,80.845 111.091,80.845 111.154,80.908 111.154,81.035 111.091,81.099 110.9,81.099 110.709,81.099 110.646,81.162 110.646,81.289 110.709,81.353 110.9,81.353 111.091,81.353 111.154,81.416 111.154,81.543 111.091,81.607 110.9,81.607 110.709,81.607 110.646,81.67 110.646,81.797 110.709,81.861 110.9,81.861 111.091,81.861 111.154,81.924 111.154,82.051 111.091,82.115 110.9,82.115 110.709,82.115 110.646,82.178 110.646,82.305 110.709,82.369 110.9,82.369 111.091,82.369 111.154,82.432 111.154,82.559 111.091,82.623 110.963,82.623 110.9,82.686 110.9,82.75 v3(110.9,84.9)
  Signal 2 w0.127: v3(94.225,111.875) 94.225,111.093 102.299,103.019 102.299,93.705 108.383,87.622 108.383,87.386 108.686,87.083 108.749,87.083 110.9,84.932 v3(110.9,84.9)
LCD_DE: J1.9 U3.22 | length 62.5
  Top Layer w0.127: J1.9@95.675,62.775 95.633,62.817 95.633,64.758 v3(96.15,65.275) ; v3(110.33,98.28) 110.33,97.469 U3.22@111.075,96.724
  Signal 1 w0.127: v3(105.875,78.025) 105.906,78.056 105.906,82.022 105.994,82.11 105.994,82.358 106.893,83.256 106.893,84.075 106.893,84.08 106.829,84.144 106.702,84.144 106.638,84.207 106.638,84.334 106.702,84.398 106.893,84.398 107.083,84.398 107.147,84.461 107.147,84.588 107.083,84.652 106.893,84.652 106.702,84.652 106.638,84.715 106.638,84.842 106.702,84.906 106.893,84.906 107.083,84.906 107.147,84.969 107.147,85.096 107.083,85.16 106.893,85.16 106.702,85.16 106.638,85.223 106.638,85.35 106.702,85.414 106.893,85.414 107.083,85.414 107.147,85.477 107.147,85.604 107.083,85.668 106.893,85.668 106.702,85.668 106.638,85.731 106.638,85.858 106.702,85.922 106.893,85.922 107.083,85.922 107.147,85.985 107.147,86.112 107.083,86.176 106.893,86.176 106.702,86.176 106.638,86.239 106.638,86.366 106.702,86.43 106.893,86.43 107.083,86.43 107.147,86.493 107.147,86.62 107.083,86.684 106.893,86.684 106.702,86.684 106.638,86.747 106.638,86.874 106.702,86.938 106.893,86.938 107.083,86.938 107.147,87.001 107.147,87.128 107.083,87.192 106.893,87.192 106.763,87.192 106.7,87.255 106.7,87.382 106.763,87.446 106.893,87.446 107.083,87.446 107.147,87.509 107.147,87.636 107.083,87.7 106.956,87.7 106.893,87.763 106.893,87.89 106.956,87.954 107.083,87.954 107.147,88.017 107.147,88.144 107.083,88.208 106.893,88.208 106.707,88.208 106.644,88.271 106.644,88.398 106.707,88.462 106.893,88.462 107.083,88.462 107.147,88.525 107.147,88.652 107.083,88.716 106.893,88.716 106.702,88.716 106.638,88.779 106.638,88.906 106.702,88.97 106.893,88.97 107.083,88.97 107.147,89.033 107.147,89.16 107.083,89.224 106.893,89.224 106.702,89.224 106.638,89.287 106.638,89.414 106.702,89.478 106.893,89.478 107.083,89.478 107.147,89.541 107.147,89.668 107.083,89.732 106.893,89.732 106.702,89.732 106.638,89.795 106.638,89.922 106.702,89.986 106.893,89.986 107.083,89.986 107.147,90.049 107.147,90.176 107.083,90.24 106.893,90.24 106.702,90.24 106.638,90.303 106.638,90.43 106.702,90.494 106.893,90.494 107.083,90.494 107.147,90.557 107.147,90.684 107.083,90.748 106.956,90.748 106.893,90.811 106.893,90.875 106.893,93.114 ; 106.875,93.147 106.875,94.824 v3(110.33,98.28)
  Bottom Layer w0.127: v3(96.15,65.275) 97.019,66.144 97.019,66.601 97.809,67.391 97.854,67.436 97.854,67.526 97.585,67.795 97.585,67.885 97.674,67.975 97.764,67.975 98.034,67.705 98.123,67.705 98.159,67.741 99.872,69.453 99.916,69.498 99.916,69.588 99.827,69.678 99.827,69.768 99.916,69.858 100.006,69.858 100.141,69.723 100.266,69.598 100.356,69.598 100.446,69.687 100.446,69.777 100.321,69.902 100.186,70.037 100.186,70.127 100.276,70.217 100.365,70.217 100.5,70.082 100.625,69.957 100.715,69.957 100.805,70.047 100.805,70.136 100.68,70.262 100.545,70.396 100.545,70.486 100.635,70.576 100.725,70.576 100.859,70.441 100.985,70.316 101.074,70.316 101.164,70.406 101.164,70.496 101.039,70.621 100.904,70.756 100.904,70.845 100.994,70.935 101.084,70.935 101.219,70.8 101.344,70.675 101.434,70.675 101.523,70.765 101.523,70.855 101.398,70.98 101.264,71.115 101.264,71.205 101.353,71.294 101.443,71.294 101.578,71.16 101.703,71.034 101.793,71.034 101.883,71.124 101.883,71.214 101.757,71.339 101.623,71.474 101.623,71.564 101.713,71.654 101.802,71.654 101.937,71.519 102.062,71.394 102.152,71.394 102.242,71.484 102.242,71.573 102.117,71.698 101.982,71.833 101.982,71.923 102.072,72.013 102.162,72.013 102.296,71.878 102.421,71.753 102.511,71.753 102.601,71.843 102.601,71.933 102.476,72.058 102.341,72.192 102.341,72.282 102.431,72.372 102.521,72.372 102.655,72.237 102.781,72.112 102.87,72.112 102.96,72.202 102.96,72.292 102.835,72.417 102.7,72.552 102.7,72.641 102.79,72.731 102.88,72.731 103.015,72.597 103.14,72.471 103.23,72.471 103.319,72.561 103.319,72.651 103.239,72.731 103.239,72.821 103.284,72.866 104.613,74.194 104.613,76.969 105.643,78 105.85,78 v3(105.875,78.025)
LCD_ENABLE: R15.2 U3.98 | length 67.6
  Top Layer w0.127: U3.98@92.16,107.861 92.16,107.858 92.964,107.054 92.964,106.964
  Top Layer w0.254: 92.964,106.964 95.553,104.376 97.374,104.376 v1(100,101.75)
  Top Layer w0.9: v1(134.8,73.625) R15.2@134.8,75.05
  Signal 2 w0.254: v1(100,101.75) 100,95.131 102.086,93.045 102.086,89.816 102,89.73 102,86.5 116.456,72.044 120.439,72.044 122.176,73.781 134.644,73.781 v1(134.8,73.625)
LCD_G0: J1.27 U3.4 | length 64
  Top Layer w0.127: J1.27@104.589,62.95 104.589,64.75 104.589,64.899 104.589,65.089 104.652,65.153 105.033,65.153 105.097,65.216 105.097,65.343 105.033,65.407 104.652,65.407 104.589,65.47 104.589,65.597 104.652,65.661 105.033,65.661 105.097,65.724 105.097,65.851 105.033,65.915 104.652,65.915 104.589,65.978 104.589,66.169 104.589,66.423 104.589,66.55 104.589,66.975 104.589,67.07 104.589,67.261 104.652,67.324 105.033,67.324 105.097,67.388 105.097,67.515 105.033,67.578 104.652,67.578 104.589,67.642 104.589,67.769 104.652,67.832 105.033,67.832 105.097,67.896 105.097,68.023 105.033,68.086 104.652,68.086 104.589,68.15 104.589,68.277 104.652,68.34 105.033,68.34 105.097,68.404 105.097,68.531 105.033,68.594 104.652,68.594 104.589,68.658 104.589,68.785 104.652,68.848 105.033,68.848 105.097,68.912 105.097,69.039 105.033,69.102 104.652,69.102 104.589,69.166 104.589,69.293 104.652,69.356 105.033,69.356 105.097,69.42 105.097,69.547 105.033,69.61 104.652,69.61 104.589,69.674 104.589,69.801 104.652,69.864 105.033,69.864 105.097,69.928 105.097,70.055 105.033,70.118 104.652,70.118 104.589,70.182 104.589,70.309 104.652,70.372 105.033,70.372 105.097,70.436 105.097,70.563 105.033,70.626 104.652,70.626 104.589,70.69 104.589,70.817 104.652,70.88 105.033,70.88 105.097,70.944 105.097,71.071 105.033,71.134 104.652,71.134 104.589,71.198 104.589,71.325 104.652,71.388 105.033,71.388 105.097,71.452 105.097,71.579 105.033,71.642 104.652,71.642 104.589,71.706 104.589,71.833 104.652,71.896 105.033,71.896 105.097,71.96 105.097,72.087 105.033,72.15 104.652,72.15 104.589,72.214 104.589,72.341 104.652,72.404 105.033,72.404 105.097,72.468 105.097,72.595 105.033,72.658 104.652,72.658 104.589,72.722 104.589,72.849 104.652,72.912 105.033,72.912 105.097,72.976 105.097,73.103 105.033,73.166 104.652,73.166 104.589,73.23 104.589,73.357 104.652,73.42 105.033,73.42 105.097,73.484 105.097,73.611 105.033,73.674 104.652,73.674 104.589,73.738 104.589,73.865 104.652,73.928 105.033,73.928 105.097,73.992 105.097,74.119 105.033,74.182 104.652,74.182 104.589,74.246 104.589,74.373 104.652,74.436 105.033,74.436 105.097,74.5 105.097,74.627 105.033,74.69 104.652,74.69 104.589,74.754 104.589,74.944 104.589,75.198 104.589,75.325 104.589,75.611 104.464,75.736 104.329,75.871 104.329,75.96 104.599,76.23 104.599,76.32 104.509,76.409 104.419,76.409 104.15,76.14 104.06,76.14 103.97,76.23 103.97,76.32 104.24,76.589 104.24,76.679 104.15,76.769 104.06,76.769 103.791,76.499 103.701,76.499 103.611,76.589 103.611,76.679 103.88,76.948 103.88,77.038 103.791,77.128 103.701,77.128 103.431,76.858 103.342,76.858 103.252,76.948 103.252,77.038 103.521,77.307 103.521,77.397 103.431,77.487 103.342,77.487 103.072,77.218 102.982,77.218 102.938,77.262 102.7,77.5 102.687,77.513 102.508,77.692 102.418,77.782 102.418,77.87 102.418,78.06 102.481,78.124 102.862,78.124 102.926,78.187 102.926,78.314 102.862,78.378 102.481,78.378 102.418,78.441 102.418,78.568 102.481,78.632 102.862,78.632 102.926,78.695 102.926,78.822 102.862,78.886 102.481,78.886 102.418,78.949 102.418,79.076 102.481,79.14 102.862,79.14 102.926,79.203 102.926,79.33 102.862,79.394 102.481,79.394 102.418,79.457 102.418,79.584 102.481,79.648 102.862,79.648 102.926,79.711 102.926,79.838 102.862,79.902 102.481,79.902 102.418,79.965 102.418,80.092 102.481,80.156 102.862,80.156 102.926,80.219 102.926,80.346 102.862,80.41 102.481,80.41 102.418,80.473 102.418,80.6 102.481,80.664 102.862,80.664 102.926,80.727 102.926,80.854 102.862,80.918 102.481,80.918 102.418,80.981 102.418,81.108 102.481,81.172 102.862,81.172 102.926,81.235 102.926,81.362 102.862,81.426 102.481,81.426 102.418,81.489 102.418,81.616 102.481,81.68 102.862,81.68 102.926,81.743 102.926,81.87 102.862,81.934 102.481,81.934 102.418,81.997 102.418,82.124 102.481,82.188 102.862,82.188 102.926,82.251 102.926,82.378 102.862,82.442 102.481,82.442 102.418,82.505 102.418,82.632 102.481,82.696 102.862,82.696 102.926,82.759 102.926,82.886 102.862,82.95 102.481,82.95 102.418,83.013 102.418,83.14 102.481,83.204 102.862,83.204 102.926,83.267 102.926,83.394 102.862,83.458 102.481,83.458 102.418,83.521 102.418,83.648 102.481,83.712 102.862,83.712 102.926,83.775 102.926,83.902 102.862,83.966 102.481,83.966 102.418,84.029 102.418,84.156 102.481,84.22 102.862,84.22 102.926,84.283 102.926,84.41 102.862,84.474 102.481,84.474 102.418,84.537 102.418,84.664 102.481,84.728 102.862,84.728 102.926,84.791 102.926,84.918 102.862,84.982 102.481,84.982 102.418,85.045 102.418,85.172 102.481,85.236 102.862,85.236 102.926,85.299 102.926,85.426 102.862,85.49 102.481,85.49 102.418,85.553 102.418,85.68 102.481,85.744 102.862,85.744 102.926,85.807 102.926,85.934 102.862,85.998 102.481,85.998 102.418,86.061 102.418,86.125 102.418,88.075 102.418,88.174 102.418,88.365 102.481,88.428 102.862,88.428 102.926,88.492 102.926,88.619 102.862,88.682 102.481,88.682 102.418,88.746 102.418,88.809 102.418,90.3 103.066,90.948 104.124,90.948 U3.4@104.711,90.36
LCD_G1: J1.26 U3.5 | length 64.2
  Top Layer w0.127: J1.26@104.175,62.775 104.175,64.291 104.273,64.389 104.273,66.05 104.273,66.199 104.209,66.262 103.165,66.262 103.102,66.326 103.102,66.453 103.165,66.516 104.209,66.516 104.273,66.58 104.273,66.707 104.209,66.77 103.165,66.77 103.102,66.834 103.102,66.961 103.165,67.024 104.209,67.024 104.273,67.088 104.273,67.215 104.209,67.278 103.165,67.278 103.102,67.342 103.102,67.469 103.165,67.532 104.209,67.532 104.273,67.596 104.273,67.723 104.209,67.786 103.419,67.786 103.356,67.85 103.356,67.977 103.419,68.04 104.209,68.04 104.273,68.104 104.273,68.231 104.209,68.294 103.419,68.294 103.356,68.358 103.356,68.485 103.419,68.548 104.209,68.548 104.273,68.612 104.273,68.739 104.209,68.802 103.419,68.802 103.356,68.866 103.356,68.993 103.419,69.056 104.209,69.056 104.273,69.12 104.273,69.247 104.209,69.31 103.419,69.31 103.356,69.374 103.356,69.501 103.419,69.564 104.209,69.564 104.273,69.628 104.273,69.755 104.209,69.818 103.419,69.818 103.356,69.882 103.356,70.009 103.419,70.072 104.209,70.072 104.273,70.136 104.273,70.263 104.209,70.326 103.419,70.326 103.356,70.39 103.356,70.517 103.419,70.58 104.209,70.58 104.273,70.644 104.273,70.771 104.209,70.834 103.419,70.834 103.356,70.898 103.356,71.025 103.419,71.088 104.209,71.088 104.273,71.152 104.273,71.279 104.209,71.342 103.419,71.342 103.356,71.406 103.356,71.533 103.419,71.596 104.209,71.596 104.273,71.66 104.273,71.787 104.209,71.85 103.419,71.85 103.356,71.914 103.356,72.041 103.419,72.104 104.209,72.104 104.273,72.168 104.273,72.295 104.209,72.358 103.419,72.358 103.356,72.422 103.356,72.549 103.419,72.612 104.209,72.612 104.273,72.676 104.273,72.803 104.209,72.866 103.419,72.866 103.356,72.93 103.356,73.057 103.419,73.12 104.209,73.12 104.273,73.184 104.273,73.311 104.209,73.374 103.419,73.374 103.356,73.438 103.356,73.565 103.419,73.628 104.209,73.628 104.273,73.692 104.273,73.819 104.209,73.882 103.419,73.882 103.356,73.946 103.356,74.073 103.419,74.136 104.209,74.136 104.273,74.2 104.273,74.327 104.209,74.39 103.419,74.39 103.356,74.454 103.356,74.581 103.419,74.644 104.209,74.644 104.273,74.708 104.273,74.898 104.273,75.025 104.273,75.071 104.273,75.325 104.273,75.452 104.194,75.531 104.06,75.665 103.97,75.665 103.517,75.212 103.427,75.212 103.337,75.302 103.337,75.392 103.79,75.845 103.79,75.935 103.701,76.024 103.611,76.024 103.428,75.842 103.338,75.842 103.249,75.932 103.249,76.021 103.431,76.204 103.431,76.294 103.296,76.429 103.207,76.518 102.141,77.584 102.141,90.414 102.951,91.225 104.467,91.225 104.978,90.714 U3.5@105.065,90.714
LCD_G2: J1.25 U3.42 | length 64.2
  Top Layer w0.127: J1.25@103.675,62.775 103.715,62.815 103.715,64.563 v3(103.755,64.603) ; v3(110.475,105.75) 111.225,105 113.2,105 114.257,106.057 U3.42@114.257,106.094
  Signal 1 w0.127: v3(103.755,64.603) 103.755,76.445 103.755,76.556 103.692,76.62 103.565,76.62 103.501,76.683 103.501,76.81 103.565,76.874 103.755,76.874 103.946,76.874 104.009,76.937 104.009,77.064 103.946,77.128 103.755,77.128 103.565,77.128 103.501,77.191 103.501,77.318 103.565,77.382 103.755,77.382 103.946,77.382 104.009,77.445 104.009,77.572 103.946,77.636 103.755,77.636 103.565,77.636 103.501,77.699 103.501,77.826 103.565,77.89 103.755,77.89 103.946,77.89 104.009,77.953 104.009,78.08 103.946,78.144 103.755,78.144 103.565,78.144 103.501,78.207 103.501,78.334 103.565,78.398 103.755,78.398 103.946,78.398 104.009,78.461 104.009,78.588 103.946,78.652 103.755,78.652 103.565,78.652 103.501,78.715 103.501,78.842 103.565,78.906 103.755,78.906 103.946,78.906 104.009,78.969 104.009,79.096 103.946,79.16 103.755,79.16 103.565,79.16 103.501,79.223 103.501,79.35 103.565,79.414 103.755,79.414 103.946,79.414 104.009,79.477 104.009,79.604 103.946,79.668 103.755,79.668 103.565,79.668 103.501,79.731 103.501,79.858 103.565,79.922 103.755,79.922 103.946,79.922 104.009,79.985 104.009,80.112 103.946,80.176 103.755,80.176 103.565,80.176 103.501,80.239 103.501,80.366 103.565,80.43 103.755,80.43 103.946,80.43 104.009,80.493 104.009,80.62 103.946,80.684 103.755,80.684 103.565,80.684 103.501,80.747 103.501,80.874 103.565,80.938 103.755,80.938 103.946,80.938 104.009,81.001 104.009,81.128 103.946,81.192 103.755,81.192 103.565,81.192 103.501,81.255 103.501,81.382 103.565,81.446 103.755,81.446 103.946,81.446 104.009,81.509 104.009,81.636 103.946,81.7 103.755,81.7 103.565,81.7 103.501,81.763 103.501,81.89 103.565,81.954 103.755,81.954 103.946,81.954 104.009,82.017 104.009,82.144 103.946,82.208 103.755,82.208 103.565,82.208 103.501,82.271 103.501,82.398 103.565,82.462 103.755,82.462 103.946,82.462 104.009,82.525 104.009,82.652 103.946,82.716 103.755,82.716 103.565,82.716 103.501,82.779 103.501,82.906 103.565,82.97 103.755,82.97 103.946,82.97 104.009,83.033 104.009,83.16 103.946,83.224 103.755,83.224 103.565,83.224 103.501,83.287 103.501,83.414 103.565,83.478 103.755,83.478 103.946,83.478 104.009,83.541 104.009,83.668 103.946,83.732 103.755,83.732 103.565,83.732 103.501,83.795 103.501,83.922 103.565,83.986 103.755,83.986 103.946,83.986 104.009,84.049 104.009,84.176 103.946,84.24 103.755,84.24 103.565,84.24 103.501,84.303 103.501,84.43 103.565,84.494 103.755,84.494 103.946,84.494 104.009,84.557 104.009,84.684 103.946,84.748 103.819,84.748 103.755,84.811 103.755,84.875 103.755,98.43 110.475,105.15 v3(110.475,105.75)